# KiCad board pcb.kicad_pcb (continued)
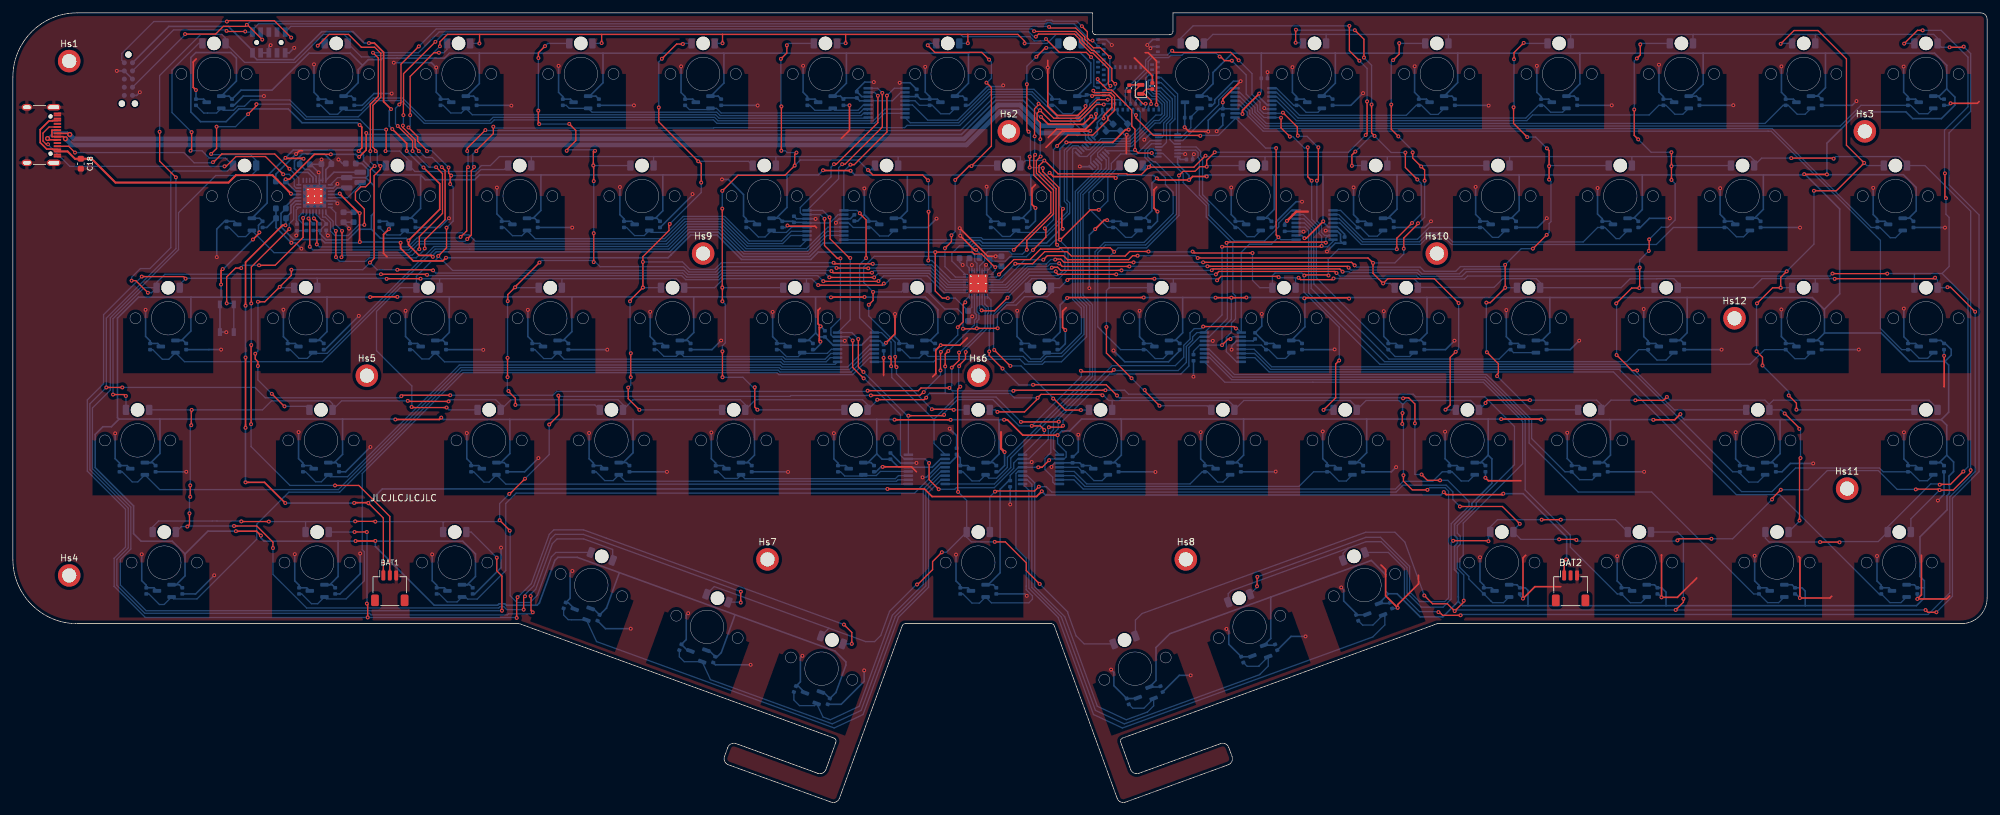
[diagram p0: board, top side]
## Routing (per net, layer and track width the routed paths; a pad name or vN(x,y) marks a point on that pad's centre or on a via; arc(x,y) is an arc through that point) (continued)
GND: length 1267.7
  Top w0.25: v1(135.29,69.1) 135.29,66.36 ; v1(158.88,92.42) 158.35,92.95 158.35,95.49 158.88,96.02 ; v1(167.4,104.42) 167.34,104.36 163.04,104.36 160.52,101.84 ; 177.71,95.67 177.3,95.26 177.3,92.39 v1(177.84,91.85) ; 296.54,38.4 296.54,32.24 v1(295.9,31.6) 300.45,31.6 300.94,32.09 ; v1(301.07,108.69) 305.23,108.69 305.51,108.97 ; v1(120.35,89.69) 120.46,89.58 124.64,89.58 124.87,89.35 ; 128.73,103.24 129.99,104.5 v1(129.99,108.38) ; v1(135.65,71.43) 137.06,72.84 v1(137.06,75.92) ; v1(300.07,69.42) 300.07,64.65 300.06,64.64 300.05,64.64 ; 173.01,100.89 173.01,103.77 173.04,103.8 v1(173.07,103.8) ; 277.48,38.18 277.66,38 v1(277.66,31.75) 282.33,31.75 282.6,32.02 ; 234.29,49.99 229.25,49.99 v1(228.79,50.45) ; 140.38,51.39 139.61,52.15 v1(135.14,52.15) ; v1(168.16,89.12) 169.56,90.52 v1(170.01,90.52) ; 235.06,38.4 234.63,37.97 v1(234.63,31.66) 236.48,33.51 240.5,33.51 ; v1(166.66,108.27) 166.66,108.01 165.45,106.8 162.27,106.8 160.8,108.27 160.8,115.36 ; 125.43,76.83 125.1,76.5 125.1,74.41 v1(125.5,74.01) 125.3,73.8 125.3,71.8 v1(125.47,71.63) ; v1(163.52,73.42) 163.1,73.84 163.1,76.36 163.65,76.91 ; v1(44,100.81) 44.5,101.31 45,101.31 ; 148.29,72.2 147.16,71.07 v1(144.16,71.07) 143.41,70.32 143.41,66.66 142.92,66.17 ; v1(168.28,107.03) 168.28,106.29 166.65,104.66 162.15,104.66 160.85,103.36 ; 261.64,34.87 258.62,31.85 v1(256.16,31.85) 256.16,38.43 256.14,38.45 ; C2.2 177.05,112.96 174.25,115.76 ; 212.58,36.89 213.29,36.18 213.29,32.1 v1(215.17,30.22) 215.17,30.72 218.39,33.94 218.39,35.28 ; v1(185.73,104.31) 182.72,104.31 v1(182.06,104.97) ; v1(28.44,110.76) 28.02,111.18 28.02,115.13 28.5,115.6 ; v1(187.99,108.83) 187.99,109.36 v1(190.76,112.13) ; v1(147.11,89.27) 151.48,84.9 v1(152.69,84.9) ; v1(147.19,88.1) 149.39,85.9 v1(149.67,85.9) ; 175.95,116.57 176.39,116.57 177.69,115.27 v1(177.69,108.48) ; 58.14,84.8 57.59,85.35 57.59,88.29 v1(58.43,89.13)
  Top w0.35: 201.2,91.84 199.4,91.84 v1(197.96,90.4) ; 153.53,57.55 153.53,55.01 v1(154.09,54.45)
  Bottom w0.2: LEDDR1.33 150.6,81.26 LEDDR1.30 LEDDR1.31 151,83.36 v1(151.22,83.57) ; LEDDR1.27 LEDDR1.26 v1(149,83.54)
  Bottom w0.25: TMR48.3 91.38,52.34 Cvout48.2 90.2,52.74 89.53,53.41 v1(89.53,57.41) ; v1(42.03,76.59) 42.03,72.41 42.7,71.74 Cvout31.2 43.88,71.34 TMR31.3 ; Cvcc60.2 50.82,32.38 53.96,35.52 v1(53.96,38.67) ; TMR68.3 210.32,29.12 Cvout68.2 208.71,29.36 206.77,31.29 206.77,33.01 v1(206.39,33.39) ; 132.29,91.4 131.28,90.39 C15.2 ; 132.29,91.4 v1(132.29,95.46) ; 132.29,91.4 132.95,90.74 Cvout21.2 134.13,90.34 TMR21.3 ; Cvcc46.2 51.7,51.38 v1(55.56,55.24) ; Cvcc62.2 92.07,26.98 v1(96,26.98) ; v1(120.44,51.36) 120.42,51.38 Cvcc49.2 ; Cvout52.2 167.38,52.34 TMR52.3 ; Cvout52.2 165.76,52.78 C31.2 162.66,52.78 MUXB8.3 161.88,52.74 161.38,52.24 v1(161.38,52.13) ; Cvout52.2 166.19,52.34 ; v1(101.63,51.37) 101.62,51.38 Cvcc48.2 ; Cvcc44.2 300.05,69.44 v1(300.07,69.42) ; v1(46.79,114.76) 46.79,110.4 47.45,109.74 Cvout2.2 48.63,109.34 TMR2.3 ; v1(144.16,71.07) 143.47,70.38 Cvcc36.2 ; Cvcc32.2 73.05,70.38 v1(73.09,70.34) ; v1(185.73,104.31) 185.73,106.04 187.54,107.85 C28.1 ; v1(293.82,57.52) 293.82,53.37 294.45,52.74 Cvout58.2 295.63,52.34 TMR58.3 ; TMR1.3 29.63,109.34 Cvout1.2 28.45,110.75 v1(28.44,110.76) ; C7.1 121.75,90.74 MUXB2.14 124.69,90.74 v1(124.72,90.71) ; v1(189.3,95.6) 189.3,91.39 189.95,90.74 Cvout24.2 191.13,90.34 TMR24.3 ; MUXA2.8 176.67,103.9 v1(175.8,103.03) ; TMR49.3 110.38,52.34 Cvout49.2 109.2,52.74 108.52,53.42 v1(108.52,57.49) ; v1(104.92,29.38) 104.62,29.09 104.62,25.28 Cvout63.2 104.9,23.52 TMR63.3 105.28,23.65 ; Cvcc42.2 v1(265.49,70.38) ; TMR26.3 229.13,90.34 Cvout26.2 227.95,90.74 227.28,91.41 v1(227.28,95.69) ; Cvcc57.2 274.88,51.38 276.18,52.68 v1(279.72,52.68) ; v1(184.56,57.55) 184.56,53.38 185.2,52.74 Cvout53.2 186.38,52.34 TMR53.3 ; Cvcc24.2 195.86,89.38 196.26,89.78 196.26,90.26 199.39,93.39 v1(200.3,93.39) ; v1(204.18,85.64) 205.48,86.94 C22.1 206.61,86.94 206.28,87.27 206.28,88.31 205.81,88.79 MUXB6.14 ; v1(47.96,99.96) 47.94,99.94 C26.2 ; TMR46.3 46.26,52.34 Cvout46.2 45.08,52.74 44.39,53.43 v1(44.39,57.56) ; TMR39.3 195.88,71.34 Cvout39.2 194.67,71.34 C30.1 194.05,74.04 v1(194.05,75.93) ; Cvcc72.2 v1(295.9,31.6) ; v1(120.35,89.69) 120.04,89.38 Cvcc20.2 ; TMR42.3 255.26,71.34 Cvout42.2 254.07,71.74 253.4,72.42 v1(253.4,76.7) ; v1(118.05,76.25) 118.05,72.39 118.7,71.74 Cvout35.2 119.88,71.34 TMR35.3 ; C26.2 47.89,99.2 C27.2 46.26,99.2 v1(47.51,97.95) 47.62,97.84 PMIC1.30 ; C26.2 48.12,99.07 PMIC1.31 PMIC1.30 ; v1(238.33,90.82) 236.89,89.38 Cvcc26.2 ; v1(94.32,95.67) 94.32,91.37 94.95,90.74 Cvout19.2 96.13,90.34 TMR19.3 ; v1(300.2,89.36) 300.18,89.38 Cvcc29.2 ; Cvcc9.2 186.36,108.38 186.74,108.76 186.74,109.23 189.64,112.13 v1(190.76,112.13) ; C28.1 189.82,107.85 MUXB5.3 ; C28.1 v1(187.99,108.83) ; JTAG1.3 JTAG1.5 39.77,117.56 39.95,117.74 v1(40.05,117.74) ; C16.2 135.31,69.12 v1(135.29,69.1) ; Cvout7.2 141.06,109.34 141.04,109.32 140.45,109.91 C14.2 140.25,109.74 MUXB1.3 ; Cvout7.2 142.45,109.74 141.76,110.43 v1(141.76,114.36) ; Cvout7.2 143.63,109.34 TMR7.3 ; v1(166.66,108.27) 166.84,108.45 Cvcc8.2 ; 183.31,99.97 C20.1 183.31,100.58 v1(183.5,100.77) ; v1(154.09,54.45) 154.09,52.36 153.11,51.38 Cvcc51.2 ; TMR13.3 257.63,109.34 Cvout13.2 256.45,109.74 255.76,110.43 v1(255.76,114.69) ; 164.79,53.74 165.54,54.49 v1(165.54,57.14) ; 164.79,53.74 164.79,53.7 ; 164.79,53.74 C31.1 ; TMR33.3 81.88,71.34 Cvout33.2 80.7,71.74 80.02,72.42 v1(80.02,76.56) ; PMIC1.33 47.62,95.01 PMIC1.30 ; PMIC1.33 48.12,95.51 PMIC1.2 49.78,95.51 50.43,96.17 v1(50.43,96.17) ; PMIC1.33 47.62,93.51 PMIC1.6 50.04,93.51 v1(50.43,93.12) ; v1(222.53,57.62) 222.53,53.41 223.2,52.74 Cvout55.2 224.38,52.34 TMR55.3 ; v1(186.44,71.74) 186.44,71.74 MUXB7.14 ; v1(153.88,111.48) 153.69,111.3 151.42,111.3 148.5,108.38 Cvcc7.2 ; TMR32.3 62.88,71.34 Cvout32.2 61.7,71.74 61.01,72.43 v1(61.01,76.43) ; v1(228.79,50.45) 228.8,50.46 Cvcc55.2 ; TMR43.3 276.63,71.34 Cvout43.2 275.45,71.74 274.78,72.41 v1(274.78,76.62) ; v1(214.91,52.1) 214.19,51.38 Cvcc54.2 ; v1(301.07,108.69) 300.76,108.38 Cvcc15.2 ; TMR72.3 291.48,33.34 Cvout72.2 290.3,33.74 289.64,34.4 v1(289.64,38.28) ; JTAG2.3 JTAG2.9 v1(16.15,113.73) ; v1(58.85,110.21) 56.11,110.21 54.28,108.38 Cvcc2.2 ; Cvcc12.2 v1(248.43,108.38) ; 205.7,88.89 v1(203.98,88.89) ; Cvcc16.2 39.46,89.38 C32.2 40.89,89.39 40.88,89.38 v1(43.27,86.99) 43.92,86.99 v1(44.83,86.08) ; Cvcc65.2 157.23,32.38 v1(157.53,32.08) ; v1(299.1,46.91) 300.05,47.86 Cvcc58.2 ; v1(188.56,26.94) 188.92,26.58 188.92,24.56 Cvout67.2 192.47,22.62 TMR67.3 ; v1(75.21,95.59) 75.21,91.48 75.95,90.74 Cvout18.2 77.13,90.34 TMR18.3 ; v1(168.16,89.12) 167.25,88.21 v1(167.25,79.94) ; C33.2 150.19,85.38 v1(149.67,85.9) ; Cvcc70.2 255.63,32.38 v1(256.16,31.85) ; v1(77.45,108.33) 77.4,108.38 Cvcc3.2 ; Cvcc45.2 v1(26.94,51.38) ; v1(160.79,114.25) 160.79,110.4 161.45,109.74 Cvout8.2 162.63,109.34 TMR8.3 ; Cvcc25.2 219.37,89.38 v1(220.34,90.35) ; v1(194.94,113.54) 194.93,113.53 C21.1 ; v1(122.68,22.76) 122.36,22.44 122.36,18.71 Cvout64.2 122.06,18.04 TMR64.3 123.08,17.15 ; 38.97,109.78 v1(39.01,109.82) 35.8,109.82 34.36,108.38 Cvcc1.2 ; v1(198.81,114.31) 198.81,110.38 199.45,109.74 Cvout10.2 200.63,109.34 TMR10.3 ; Cvcc5.2 115.69,108.38 v1(115.72,108.35) ; v1(182.06,104.97) 182.07,104.98 Cvout9.2 182.11,106.5 TMR9.3 ; Cvcc10.2 207.89,108.38 v1(209.78,110.27) ; v1(129.26,71.75) 129.25,71.74 MUXB3.14 ; MUXA1.15 167.09,103.36 167.09,104.06 167.4,104.37 v1(167.4,104.42) ; TMR60.3 45.66,33.34 Cvout60.2 44.48,33.74 43.8,34.42 v1(43.8,38.57) ; v1(170.63,20.62) 171.07,20.19 171.07,18.11 Cvout66.2 174.67,16.12 TMR66.3 ; v1(277.66,31.75) 277.03,32.38 Cvcc71.2 ; v1(127.57,57.38) 127.57,53.37 128.2,52.74 Cvout50.2 129.38,52.34 TMR50.3 ; C13.1 48.68,88.4 v1(48.95,88.13) ; C28.2 187.99,105.3 v1(187.04,104.35) ; v1(15.89,57.36) 15.89,53.43 16.57,52.74 Cvout45.2 17.76,52.34 TMR45.3 ; Cvcc64.2 128.7,15.22 132.27,18.79 v1(132.27,20.49) ; C35.2 152.7,84.89 v1(152.69,84.9) ; v1(175.06,76.42) 175.06,72.38 175.7,71.74 Cvout38.2 176.88,71.34 TMR38.3 ; JTAG1.9 42.94,116.54 v1(43.72,117.32) ; Cvcc67.2 198.6,25.78 v1(200.85,25.78) ; v1(103.82,114.43) 103.82,110.37 104.45,109.74 Cvout5.2 105.63,109.34 TMR5.3 ; v1(147.11,89.27) 147.19,89.19 v1(147.19,88.1) ; Cvcc50.2 134.11,51.38 134.88,52.15 v1(135.14,52.15) ; TMR6.3 124.63,109.34 Cvout6.2 123.45,109.74 122.78,110.41 v1(122.78,114.53) ; v1(127.88,90.11) 127.88,90.24 128.38,90.74 MUXB2.3 130.12,90.74 C15.1 ; v1(170.75,117.76) 169.9,118.61 MDBT1.55 ; Cvcc17.2 66.32,89.38 v1(67.76,90.82) ; Cvcc6.2 v1(129.99,108.38) ; v1(141.34,50.52) 141.95,50.52 144.17,52.74 MUXB4.3 145.6,52.74 146.64,53.78 C17.2 147.2,53.53 Cvout51.2 148.38,52.34 TMR51.3 ; Cvcc52.2 177.49,51.38 v1(177.52,51.35) ; Cvcc40.2 222.6,70.38 v1(223.99,71.77) 223.98,71.78 ; C30.2 192.71,71.74 MUXB7.3 190.13,71.74 189.36,70.97 v1(189.36,70.38) ; Cvcc28.2 277.66,89.38 v1(277.68,89.36) ; v1(99.02,76.27) 99.02,72.42 99.7,71.74 Cvout34.2 100.88,71.34 TMR34.3 ; R6.1 45.59,88.88 R5.1 44.14,88.25 v1(44.03,88.14) ; Cvcc43.2 286.8,70.38 v1(286.81,70.39) ; v1(151.3,95.72) 151.3,91.39 151.95,90.74 Cvout22.2 153.13,90.34 TMR22.3 ; v1(293.81,76.77) 293.81,72.38 294.45,71.74 Cvout44.2 295.63,71.34 TMR44.3 ; v1(194.43,107.95) 194.59,107.79 MUXB5.14 ; 40.88,90.95 40.88,92.48 ; v1(217.81,114.45) 217.79,114.43 217.79,110.4 218.45,109.74 Cvout11.2 219.63,109.34 TMR11.3 ; v1(92.35,70.37) 92.34,70.38 Cvcc33.2 ; Cvcc38.2 181.3,70.22 179.57,68.49 172.76,68.49 v1(171.01,70.24) ; TMR16.3 34.38,90.34 Cvout16.2 32.89,90.34 31.68,89.13 v1(31.68,84.77) ; v1(149.05,75.56) 148.42,74.92 C36.2 ; TMR27.3 248.13,90.34 Cvout27.2 246.95,90.74 246.22,91.47 v1(246.22,95.52) ; v1(289.05,95.53) 289.05,91.39 289.7,90.74 Cvout29.2 290.88,90.34 TMR29.3 ; C25.2 51.21,99.33 v1(50.59,99.95) ; v1(205.37,70.42) 205.33,70.38 Cvcc39.2 ; v1(53.75,75.63) 48.5,70.38 Cvcc31.2 ; v1(168.28,107.03) 168.45,107.2 MDBT1.33 ; Cvcc53.2 196.17,51.38 v1(196.21,51.42) ; TMR65.3 148.38,33.34 Cvout65.2 147.2,33.74 146.54,34.4 v1(146.54,38.49) ; v1(182.15,100.8) 182.05,100.9 MUXA2.15 ; TMR40.3 214.88,71.34 Cvout40.2 213.7,71.74 213,72.44 v1(213,76.36) ; v1(20.62,76.58) 20.62,72.45 21.32,71.74 Cvout30.2 22.51,71.34 TMR30.3 ; C5.1 169.85,104.84 C1.2 169.9,104.41 C3.2 172.71,103.8 v1(173.07,103.8) ; Cvcc13.2 267.3,108.38 v1(267.31,108.39) ; v1(135.65,71.43) 135.38,71.16 C16.1 134.74,71.74 MUXB3.3 ; v1(165.77,98.87) 165.81,98.83 167.37,98.83 MUXA1.8 ; 164.75,52.74 164.79,52.78 ; Cvcc18.2 86.88,89.38 v1(86.9,89.36) ; TMR15.3 295.63,109.34 Cvout15.2 294.45,109.74 293.78,110.41 v1(293.78,114.41) ; v1(19.73,110.41) 19.24,109.92 JTAG2.5 ; Cvcc68.2 215.08,30.13 v1(215.17,30.22) ; v1(200.54,88.73) 200.49,88.79 MUXB6.3 197.62,88.79 C29.2 ; TMR36.3 138.88,71.34 Cvout36.2 137.7,71.74 137.06,72.38 v1(137.06,75.92) ; v1(140.4,52.75) 140.38,52.74 MUXB4.14 137.93,52.74 136.36,54.3 C9.1 ; v1(44,100.81) 40.86,97.67 C19.2 40.87,96.55 ; MDBT1.1 177.1,118.61 v1(176.25,117.76) ; Cvcc37.2 162.61,70.38 163.52,71.29 v1(163.52,73.42) ; v1(286.45,109.04) 285.79,108.38 Cvcc14.2 ; C34.1 147.09,84.04 v1(147.58,83.55) ; v1(183.43,66.17) 183.44,66.18 C23.1 ; v1(249.27,38.24) 249.27,34.4 249.93,33.74 Cvout70.2 251.11,33.34 TMR70.3 ; TMR4.3 86.63,109.34 Cvout4.2 85.45,109.74 84.79,110.4 v1(84.79,114.51) ; v1(177.84,91.85) 177.84,90.36 176.86,89.38 Cvcc23.2 ; Cvcc22.2 157.86,89.38 158.88,90.4 v1(158.88,92.42) ; Cvcc21.2 142.13,89.38 v1(143.51,90.76) 143.49,90.78 ; v1(65.15,38.53) 65.15,34.44 65.85,33.74 Cvout61.2 67.03,33.34 TMR61.3 ; v1(232.04,76.53) 232.04,72.4 232.7,71.74 Cvout41.2 233.88,71.34 TMR41.3 ; Cvcc66.2 181.24,19.72 v1(183,19.72) ; v1(70.53,57.41) 70.53,53.41 71.2,52.74 Cvout47.2 72.38,52.34 TMR47.3 ; TMR54.3 205.38,52.34 Cvout54.2 204.2,52.74 203.52,53.42 v1(203.52,57.66) ; C14.1 139.41,111.89 v1(137.79,111.89) ; Cvout17.2 58.13,90.34 TMR17.3 58.61,89.31 v1(58.43,89.13) ; 257.43,90.78 v1(257.45,90.8) 254.28,90.8 252.86,89.38 Cvcc27.2 ; TMR14.3 276.63,109.34 Cvout14.2 275.45,109.74 274.79,110.4 v1(274.79,114.43) ; v1(177.69,108.48) 178.05,108.13 MDBT1.15 ; v1(236.79,114.51) 236.79,110.4 237.45,109.74 Cvout12.2 238.63,109.34 TMR12.3 ; v1(154.96,46.31) 154.96,49.04 C24.1 ; v1(32.35,70.39) 30.45,70.39 30.44,70.38 Cvcc30.2 ; v1(170.01,90.52) 170.19,90.34 Cvout23.2 172.13,90.34 TMR23.3 ; v1(114.63,21.36) 109.17,21.36 Cvcc63.2 ; v1(243.37,71.78) 241.97,70.38 Cvcc41.2 ; Cvcc59.2 28.39,32.38 v1(31.29,35.28) ; v1(234.63,31.66) 234.15,32.14 Cvcc69.2 ; v1(208.31,95.61) 208.31,91.38 208.95,90.74 Cvout25.2 210.13,90.34 TMR25.3 ; v1(59.19,115.01) 65.03,115.01 v1(65.78,114.26) 65.78,110.41 66.45,109.74 Cvout3.2 67.63,109.34 TMR3.3 ; v1(20.02,38.54) 20.02,34.45 20.73,33.74 Cvout59.2 21.91,33.34 TMR59.3 ; v1(265.27,95.48) 265.27,91.42 265.95,90.74 Cvout28.2 267.13,90.34 TMR28.3 ; SW1.1 SW1.1 33.14,73.11 v1(33.16,73.09) ; v1(86.93,35.96) 86.58,35.61 86.58,31.71 Cvout62.2 86.28,31.04 TMR62.3 87.3,30.15 ; v1(145.55,58.09) 146.64,57 C17.1 ; v1(75.85,39.58) 75.85,36.47 71.76,32.38 Cvcc61.2 ; LEDDR1.33 150.63,81.29 ; Cvcc56.2 v1(253.45,51.38) ; TMR56.3 243.38,52.34 Cvout56.2 242.2,52.74 241.51,53.43 v1(241.51,57.45) ; C11.2 52.92,90.2 C10.2 52.23,89.35 v1(52.23,89.21) ; v1(81.65,53.51) 79.52,51.38 Cvcc47.2 ; v1(270.63,38.32) 270.63,34.41 271.3,33.74 Cvout71.2 272.48,33.34 TMR71.3 ; v1(133.77,112) 132.36,112 131.13,110.77 C6.1 131.14,110.49 131.9,109.74 MUXB1.14 ; Cvcc4.2 96.49,108.38 v1(96.5,108.37) ; v1(105.6,94.57) 105.6,94.42 100.56,89.38 Cvcc19.2 ; TMR37.3 157.88,71.34 Cvout37.2 156.7,71.74 156.02,72.42 156.02,76.39 v1(156.05,76.42) ; MUXB8.14 158.15,52.74 v1(158.3,52.89) ; v1(227.96,38.09) 227.96,34.33 228.55,33.74 Cvout69.2 229.73,33.34 TMR69.3 ; TMR20.3 115.13,90.34 Cvout20.2 113.95,90.74 113.52,91.17 113.52,94.5 111.17,96.85 v1(110.18,96.85) ; TMR57.3 269.51,52.34 Cvout57.2 268.32,52.74 267.68,53.39 v1(267.68,57.53) ; 125.31,71.71 125.34,71.74 125.35,71.74 v1(125.47,71.63) 125.47,71.24 124.61,70.38 Cvcc35.2 ; v1(125.5,74.01) 126.17,73.34 C8.1 ; v1(229.3,108.33) 229.25,108.38 Cvcc11.2 ; MDBT1.2 177,117.51 v1(176.75,117.26) ; v1(110.04,71.8) 108.62,70.38 Cvcc34.2
  Bottom w0.35: v1(197.96,90.4) 197.61,90.05 C29.1
VCCS: length 2365.7
  Top w0.2: v1(189.19,72.02) 188.81,72.02 v1(187.87,71.09) ; v1(159.32,52.09) 159.93,52.09 161.01,53.17 v1(161.01,53.19)
  Top w0.25: v1(32.6,82.91) 32.35,82.66 v1(32.35,80.51) ; v1(207.62,78.32) 207.48,78.45 200.75,78.45 v1(200.66,78.36) ; v1(171.35,97.07) 171.12,97.3 161.67,97.3 v1(161.08,97.89) ; v1(185.5,97.31) 183.3,97.31 v1(182.75,96.76) 178,96.76 v1(177.73,97.03) ; v1(154.01,59.47) 154.52,59.47 156.92,57.07 v1(162.33,57.07) ; v1(42.34,100.21) 42.42,100.13 45.1,100.13 v1(45.17,100.07) ; v1(136.98,59.49) 137.01,59.46 v1(145.71,59.46) ; v1(125.88,98.28) 125.92,98.24 130.13,98.24 v1(130.17,98.2) ; v1(163.8,78.41) 163.88,78.49 v1(175.7,78.49) ; v1(53.88,105.32) 54.23,104.98 54.23,101.77 v1(53.72,101.26) ; v1(231.24,59.58) 237.39,59.58 v1(237.47,59.5) ; v1(132.33,78.56) 127.16,78.56 v1(127.11,78.51) ; v1(55.51,78.55) 55.54,78.59 v1(59.74,78.59) ; v1(203.6,90.34) 203.6,90.33 200.98,87.71 v1(200.68,87.71) ; v1(186.86,78.46) v1(189.32,78.46) 191.63,78.46 v1(191.66,78.49) ; v1(169.47,106.34) 169.47,106.76 170.75,108.04 170.75,109.58 170.4,109.94 167.8,109.94 v1(167.69,109.82) ; v1(53.24,40.61) 56.3,40.61 v1(56.32,40.63) ; v1(66.56,59.81) 66.27,59.52 v1(59.43,59.52) ; v1(193.65,110.2) 191.05,107.61 v1(191.05,107.03) ; v1(37.3,87.51) 38.3,88.51 v1(38.3,88.61) ; v1(38.54,41.46) 37.86,42.14 34.66,42.14 v1(34.66,42.15) ; v1(281.86,97.63) 278.36,97.63 v1(278.32,97.67) ; v1(259.09,60.36) 258.19,59.46 v1(254.88,59.46)
  Bottom w0.2: v1(161.01,53.19) 161.21,53.39 MUXB8.2 163.35,53.39 163.65,53.69 163.65,54.45 162.32,55.78 162.32,57.06 v1(162.33,57.07) ; MUXB2.2 128.24,91.39 126.94,90.09 MUXB2.13 ; MUXB7.2 189.56,72.39 v1(189.19,72.02) ; v1(189.32,78.46) 189.32,75.09 187.87,73.64 v1(187.87,71.09) MUXB7.13 184.4,71.09 183.44,70.13 C23.2 ; MUXB1.2 137.96,110.39 136.66,109.09 MUXB1.13 ; v1(159.32,52.09) MUXB8.13 156.23,52.09 154.95,50.81 C24.2
  Bottom w0.25: 153.17,59.49 153.99,59.49 v1(154.01,59.47) ; 153.17,59.49 153.23,59.43 153.23,54.14 151.9,52.81 TMR51.1 152.33,52.81 Cvcc51.1 ; 153.17,59.49 145.74,59.49 v1(145.71,59.46) ; Cvcc25.1 214.08,90.81 TMR25.1 213.64,90.81 215.06,92.23 215.06,97.55 ; Cvcc65.1 152.33,33.81 TMR65.1 151.53,33.81 153.39,35.67 153.39,48.65 154.75,50.01 C24.2 ; Cvcc55.1 228.33,52.81 TMR55.1 228.07,52.81 229.23,53.97 ; 134.23,54.17 135.06,53.34 C9.2 137.61,52.09 MUXB4.13 142.84,52.09 144.14,53.39 MUXB4.2 ; 134.23,54.17 134.23,59.52 134.22,59.52 ; 134.23,54.17 132.87,52.81 TMR50.1 133.33,52.81 Cvcc50.1 ; 16.46,59.59 22.85,59.59 ; 16.46,59.59 16.46,59.54 15.31,58.39 13.99,58.39 12.79,57.19 12.79,52.04 18.75,46.07 18.75,41.75 19.92,40.59 24.76,40.59 26.75,38.6 ; 16.46,59.59 16.25,59.79 16.25,75.28 19.52,78.55 27.66,78.55 ; 22.85,59.59 22.85,54.22 21.45,52.81 TMR45.1 21.7,52.81 Cvcc45.1 ; 22.85,59.59 51.23,59.59 ; 82.04,97.55 100.98,97.55 ; 82.04,97.55 72.5,97.55 71.76,96.81 64.08,96.81 63.34,97.55 ; 82.04,97.55 82.04,92.03 80.82,90.81 TMR18.1 81.08,90.81 Cvcc18.1 ; 100.98,97.55 100.98,91.97 99.82,90.81 TMR19.1 100.08,90.81 Cvcc19.1 ; 100.98,97.55 120.28,97.55 ; 124.71,78.59 124.73,78.57 124.73,72.97 ; 124.71,78.59 105.79,78.59 ; 124.71,78.59 127.04,78.59 v1(127.11,78.51) ; 48.81,78.55 48.81,73.19 47.43,71.81 TMR31.1 47.83,71.81 Cvcc31.1 ; 48.81,78.55 32.35,78.55 ; 48.81,78.55 v1(55.51,78.55) ; 134.22,59.52 136.95,59.52 v1(136.98,59.49) ; 134.22,59.52 115.23,59.52 ; 299.13,109.81 299.6,109.34 Cvcc15.1 ; 299.13,109.81 299.32,109.81 300.48,110.97 300.48,114.6 298.59,116.49 281.63,116.49 ; 299.13,109.81 TMR15.1 ; Cvcc14.1 280.58,109.81 TMR14.1 280.32,109.81 281.63,111.12 281.63,116.49 ; v1(163.8,78.41) 162.73,77.34 162.73,73.13 161.41,71.81 TMR37.1 161.83,71.81 Cvcc37.1 ; v1(171.35,97.07) 171.77,97.49 177.27,97.49 v1(177.73,97.03) 176.98,96.28 176.98,91.97 175.82,90.81 TMR23.1 176.08,90.81 Cvcc23.1 ; Cvcc32.1 66.83,71.81 TMR32.1 66.57,71.81 67.81,73.05 67.81,78.59 ; 229.23,53.97 229.8,53.39 229.8,49.57 226.69,46.46 226.69,45.9 224,43.22 224,41.48 224.46,41.02 224.46,40.28 224,39.83 224,36.17 224.58,35.58 224.58,31.92 224.59,31.91 224.59,31.23 224.58,31.22 ; 229.23,53.97 229.23,59.58 229.22,59.58 ; 32.35,78.55 v1(32.35,80.51) ; 32.35,78.55 27.66,78.55 ; MUXB5.13 194.88,108.44 193.65,109.66 v1(193.65,110.2) 193.97,110.52 C21.2 193.97,116.46 194,116.49 ; 281.63,116.49 262.63,116.49 ; TMR68.1 213.84,30.91 Cvcc68.1 ; TMR68.1 213.68,32.34 213.68,32.42 ; TMR68.1 212.25,30.99 ; 138.97,97.54 130.83,97.54 v1(130.17,98.2) ; 138.97,97.54 138.98,97.54 138.98,91.97 137.82,90.81 TMR21.1 138.08,90.81 Cvcc21.1 ; 138.97,97.54 158.16,97.54 ; 94.23,35.69 92.22,30.17 92.22,30.17 Cvcc62.1 90.16,30.13 TMR62.1 ; 224.49,116.49 224.49,111.91 TMR11.1 223.58,109.81 Cvcc11.1 ; 224.49,116.49 243.41,116.49 ; 224.49,116.49 205.46,116.49 ; 148.48,116.46 148.48,111.82 146.47,109.81 TMR7.1 147.58,109.81 Cvcc7.1 ; 148.48,116.46 148.6,116.59 165.86,116.59 167.48,114.97 167.48,111.9 TMR8.1 166.63,109.81 Cvcc8.1 167.49,110.02 v1(167.69,109.82) ; 148.48,116.46 148.45,116.49 129.51,116.49 ; 274.58,59.49 274.58,54.2 273.19,52.81 TMR57.1 273.45,52.81 Cvcc57.1 ; 274.58,59.49 299.61,59.49 ; 274.58,59.49 259.71,59.49 259.09,60.11 v1(259.09,60.36) ; 63.34,97.55 63.35,97.54 63.35,92.34 61.82,90.81 TMR17.1 62.08,90.81 Cvcc17.1 ; 63.34,97.55 56.67,97.55 54.48,99.74 54.48,100.64 53.79,101.33 53.79,101.33 v1(53.72,101.26) 53.72,101.33 53.6,101.44 43.57,101.44 v1(42.34,100.21) 39.51,97.38 39.51,93.18 TMR16.1 38.33,90.81 Cvcc16.1 38.79,90.34 38.16,89.72 38.16,88.75 v1(38.3,88.61) ; Cvcc60.1 49.6,33.81 TMR60.1 49.24,33.81 50.53,35.1 50.53,40.59 ; 235.41,30.56 225.24,30.56 224.58,31.22 ; 235.41,30.56 256.86,30.56 ; 235.41,30.56 235.41,32.93 235,33.34 Cvcc69.1 233.68,33.81 TMR69.1 ; Cvcc47.1 76.33,52.81 TMR47.1 75.82,52.81 77.23,54.22 77.23,59.51 77.21,59.52 ; 158.16,97.54 160.73,97.54 v1(161.08,97.89) ; 158.16,97.54 158.16,92.15 156.82,90.81 TMR22.1 157.08,90.81 Cvcc22.1 ; 203.57,97.55 195.91,97.55 ; 203.57,97.55 215.06,97.55 ; 203.57,97.55 203.56,97.54 203.56,90.38 v1(203.6,90.34) 203.6,90.21 204.38,89.44 MUXB6.13 205.81,89.44 206.92,88.32 C22.2 ; 195.91,97.55 185.28,97.55 185.28,97.54 v1(185.5,97.31) ; 195.91,97.55 195.98,97.49 195.98,92.19 194.6,90.81 TMR24.1 195.08,90.81 Cvcc24.1 ; 72.47,116.49 91.69,116.49 ; 72.47,116.49 72.48,116.48 72.48,111.76 70.53,109.81 TMR3.1 71.58,109.81 Cvcc3.1 ; 72.47,116.49 67.82,116.49 67.05,115.71 59.72,115.71 59.72,115.71 57.44,115.71 57.22,115.49 55.22,115.49 54.32,114.59 ; 91.69,116.49 110.42,116.49 ; 91.69,116.49 91.69,111.89 89.61,109.81 TMR4.1 90.58,109.81 Cvcc4.1 ; 181.76,78.49 181.76,73 180.57,71.81 TMR38.1 180.83,71.81 Cvcc38.1 ; 181.76,78.49 186.83,78.49 v1(186.86,78.46) ; 181.76,78.49 v1(175.7,78.49) ; 26.75,38.6 30.3,42.15 v1(34.66,42.15) ; 26.75,38.6 26.75,35.19 25.37,33.81 TMR59.1 25.86,33.81 Cvcc59.1 ; Cvcc46.1 50.2,52.81 TMR46.1 49.95,52.81 51.23,54.1 51.23,59.59 ; 124.73,72.97 125.34,72.35 C8.2 127.44,71.09 MUXB3.13 131.87,71.09 133.17,72.39 MUXB3.2 ; 124.73,72.97 123.57,71.81 TMR35.1 123.83,71.81 Cvcc35.1 ; 195.49,31.92 179.76,26.2 177.61,24.05 177.61,18.92 TMR66.1 ; 195.49,31.92 211.04,37.58 211.08,37.58 213.29,35.37 213.29,32.81 213.68,32.42 ; 195.49,31.92 195.44,31.87 195.44,25.45 TMR67.1 ; 256.86,30.56 256.86,32.66 256.18,33.34 Cvcc70.1 255.06,33.81 TMR70.1 ; 256.86,30.56 278.5,30.56 ; Cvcc9.1 185.58,109.81 TMR9.1 184.55,109.81 186.48,111.74 186.48,113.5 186.85,113.87 186.85,113.87 187.71,114.74 187.72,114.74 189.47,116.49 194,116.49 ; 54.32,114.59 53.65,113.92 53.65,111.89 51.57,109.81 TMR2.1 52.58,109.81 Cvcc2.1 ; 54.32,114.59 52.42,116.49 46.01,116.49 40.26,110.74 35.45,110.74 Cvcc1.1 33.58,109.81 TMR1.1 34.73,112.15 34.73,115.73 33.87,116.59 28.43,116.59 27.65,115.81 27.65,107.35 29.16,105.84 33.12,105.84 35.1,107.82 42.79,107.82 44.93,105.67 53.53,105.67 v1(53.88,105.32) ; 194,116.49 205.46,116.49 ; 120.28,97.55 125.15,97.55 v1(125.88,98.28) ; 120.28,97.55 120.28,92.5 118.59,90.81 TMR20.1 119.08,90.81 Cvcc20.1 121.19,90.34 C7.2 ; TMR44.1 299.58,71.81 Cvcc44.1 300.24,71.34 301.17,70.41 301.17,69.53 300.2,68.56 ; 215.06,97.55 234.04,97.55 ; 110.42,116.49 110.48,116.43 110.48,111.84 108.45,109.81 TMR5.1 109.58,109.81 Cvcc5.1 ; 110.42,116.49 129.51,116.49 ; Cvcc26.1 233.08,90.81 TMR26.1 232.82,90.81 234.04,92.03 234.04,97.55 ; 77.21,59.52 66.85,59.52 v1(66.56,59.81) ; 77.21,59.52 96.36,59.52 ; 281.43,76.64 283.84,79.05 283.84,92.26 278.43,97.67 v1(278.32,97.67) 278.2,97.55 271.98,97.55 ; 281.43,76.64 281.48,76.6 281.48,72.97 280.32,71.81 TMR43.1 280.58,71.81 Cvcc43.1 ; 281.43,76.64 279.59,78.49 260.14,78.49 ; 300.2,68.56 294.69,68.56 290.28,72.97 281.48,72.97 ; 300.2,68.56 300.77,67.99 300.77,60.64 299.61,59.49 ; v1(254.88,59.46) 254.85,59.5 248.08,59.5 ; 262.63,116.49 262.63,111.66 260.78,109.81 TMR13.1 261.58,109.81 Cvcc13.1 ; 262.63,116.49 243.41,116.49 ; Cvcc33.1 85.83,71.81 TMR33.1 85.49,71.81 86.86,73.18 86.86,78.59 ; TMR67.1 195.99,24.41 Cvcc67.1 ; TMR67.1 194.4,24.49 ; TMR66.1 176.6,17.99 ; TMR66.1 178.19,17.91 Cvcc66.1 ; v1(162.33,57.07) 163,57.74 164.2,57.74 166.04,59.58 172.16,59.58 ; 191.22,59.58 210.35,59.58 ; 191.22,59.58 191.23,59.58 191.23,53.97 190.07,52.81 TMR53.1 190.33,52.81 Cvcc53.1 ; 191.22,59.58 172.16,59.58 ; 210.35,59.58 229.22,59.58 ; 210.35,59.58 210.35,54.35 208.81,52.81 TMR54.1 209.33,52.81 Cvcc54.1 ; Cvcc58.1 299.58,52.81 TMR58.1 299.32,52.81 300.48,53.97 ; 67.81,78.59 86.86,78.59 ; 67.81,78.59 v1(59.74,78.59) ; 86.86,78.59 105.79,78.59 ; Cvcc27.1 252.08,90.81 TMR27.1 251.82,90.81 253.17,92.16 253.17,97.55 ; 219.69,78.49 238.81,78.49 ; 219.69,78.49 207.79,78.49 v1(207.62,78.32) ; 219.69,78.49 219.73,78.45 219.73,72.97 218.57,71.81 TMR40.1 218.83,71.81 Cvcc40.1 ; 238.81,78.49 238.81,73.05 237.57,71.81 TMR41.1 237.83,71.81 Cvcc41.1 ; 238.81,78.49 260.14,78.49 ; 213.68,32.42 215.06,32.42 218.66,28.82 222.18,28.82 224.58,31.22 ; 299.61,59.49 300.48,58.63 300.48,53.97 ; TMR64.1 125.93,17.13 Cvcc64.1 127.87,17.05 127.88,17.05 129.43,21.32 129.43,21.8 127.74,23.5 90.81,36.94 ; 205.46,116.49 205.48,116.47 205.48,111.83 203.46,109.81 TMR10.1 204.58,109.81 Cvcc10.1 ; Cvcc52.1 171.33,52.81 TMR52.1 171.07,52.81 172.23,53.97 172.23,59.52 172.16,59.58 ; Cvcc61.1 70.98,33.81 TMR61.1 70.6,33.81 71.88,35.09 71.88,38.6 69.89,40.59 56.37,40.59 v1(56.32,40.63) 56.32,39.77 65.47,30.63 75.32,30.63 75.54,30.85 76.44,30.85 76.66,30.63 81.44,30.63 81.81,30.99 84.22,37.61 84.68,38.07 87.69,38.07 90.84,36.93 ; v1(37.3,87.51) 32.7,82.91 v1(32.6,82.91) ; 96.36,59.52 96.36,54.34 94.83,52.81 TMR48.1 95.33,52.81 Cvcc48.1 ; 96.36,59.52 115.23,59.52 ; 278.5,30.56 278.48,30.58 278.48,32.84 277.98,33.34 Cvcc71.1 276.43,33.81 TMR71.1 ; 278.5,30.56 295.78,30.56 296.99,31.77 296.99,33.33 ; 253.17,97.55 234.04,97.55 ; 253.17,97.55 271.98,97.55 ; Cvcc39.1 199.83,71.81 TMR39.1 200.75,73.92 200.75,78.27 v1(200.66,78.36) 200.66,78.45 200.62,78.49 v1(191.66,78.49) ; 50.53,40.59 53.21,40.59 v1(53.24,40.61) ; 50.53,40.59 39.05,40.59 38.54,41.09 v1(38.54,41.46) ; MUXB6.2 200.25,88.14 v1(200.68,87.71) ; 260.14,78.49 260.14,73.01 258.94,71.81 TMR42.1 259.21,71.81 Cvcc42.1 ; 300.48,53.97 301.54,52.9 301.54,51.43 300.83,50.72 300.83,49.32 300.89,49.26 300.89,48.02 300.52,47.66 300.52,45.47 296.33,41.27 296.33,35.11 296.99,34.44 296.99,33.33 ; 229.22,59.58 v1(231.24,59.58) ; v1(191.05,107.03) 190.95,107.14 MUXB5.2 ; 51.23,59.59 59.37,59.59 v1(59.43,59.52) ; 143.05,71.34 142.58,71.81 TMR36.1 142.55,71.81 143.73,72.99 143.73,76.6 141.76,78.56 v1(132.33,78.56) ; TMR72.1 295.43,33.81 Cvcc72.1 296.98,33.34 296.99,33.33 ; 112.21,29.14 110.07,23.25 109.43,22.62 Cvcc63.1 108.13,23.63 TMR63.1 ; C7.2 123.3,90.17 MUXB2.13 ; C7.2 121.33,90.17 ; Cvcc56.1 247.33,52.81 TMR56.1 247.07,52.81 248.23,53.97 248.23,59.36 248.08,59.5 ; 271.98,97.55 271.98,92.2 270.59,90.81 TMR28.1 271.08,90.81 Cvcc28.1 ; Cvcc30.1 26.45,71.81 TMR30.1 26.2,71.81 27.66,73.28 27.66,78.55 ; 105.79,78.59 105.79,73.03 104.57,71.81 TMR34.1 104.83,71.81 Cvcc34.1 ; 129.51,116.49 129.51,111.82 127.5,109.81 TMR6.1 128.58,109.81 Cvcc6.1 129.24,109.53 C6.2 131.57,109.09 MUXB1.13 ; Cvcc12.1 242.58,109.81 TMR12.1 241.57,109.81 243.48,111.72 243.48,116.42 243.41,116.49 ; Cvcc49.1 114.33,52.81 TMR49.1 114.07,52.81 115.23,53.97 115.23,59.52 ; 248.08,59.5 v1(237.47,59.5) ; MUXA1.16 168.51,103.93 C5.2 168.5,104.83 168.5,105.71 169.13,106.34 v1(169.47,106.34) ; v1(182.75,96.76) 182.75,97.46 180.97,99.24 MUXA2.16 181.41,99.96 C20.2 ; Cvcc29.1 294.83,90.81 TMR29.1 294.57,90.81 295.73,91.97 295.73,95.6 293.74,97.59 281.91,97.59 v1(281.86,97.63) 281.86,102.49 286.72,107.35 294.14,107.35 295.18,106.31 299.64,106.31 301.75,108.41 301.75,109.66 300.57,110.83 ; v1(45.17,100.07) 44.96,100.07 44.57,99.68 C27.1 45.37,98.4 46.02,98.4 47.12,97.3 PMIC1.29